# Altium PCB final_clock.PcbDoc (part 2 of 2) (continued)
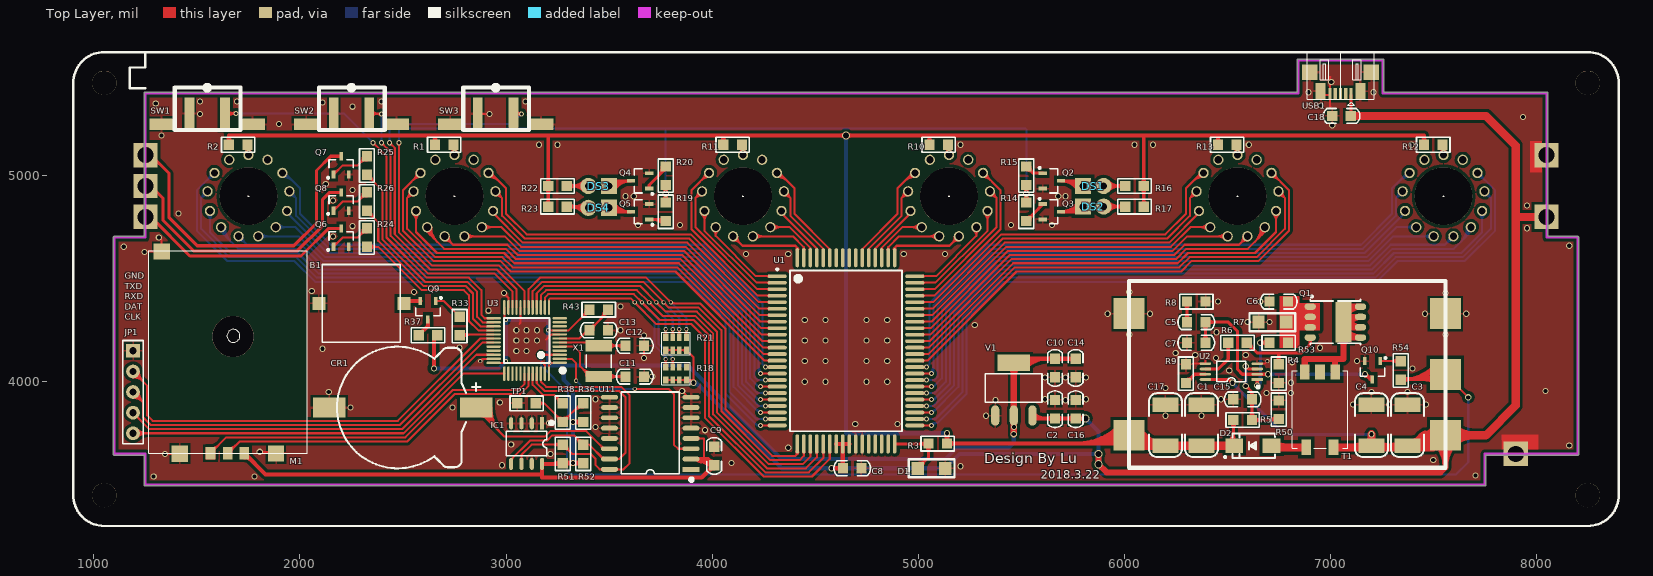
[diagram p0: Top Layer view]
## Nets (pads, with @x,y where several pads share a name; then routed paths per layer and width w, separated by ;. In a path a pad name is that pad's centre, name@x,y a point inside that pad or via, vN(x,y) a via of type N, cw(c..) or ccw(c..) an arc to the next point about the centre after c; other vN are vias at no path point) (continued)
OUT2-7: N2.9 U1.18 | length 3082.5
  Top Layer w10: v2(4235,3976.77) U1.18@4316.34,3976.77 ; v2@4240.3,3971.47 cw(c4253.11,3958.67) 4253.11,3976.77 cw(c4253.11,3994.88) v2@4240.3,3982.08 ; U1.18@4277.07,3971.96 ccw(c4265.45,3960.33) 4265.45,3976.77 ccw(c4265.45,3993.21) U1.18@4277.07,3981.59
  Bottom Layer w10: N2.9@1882.58,4750.26 1978.18,4750.26 2123.43,4605 3935.15,4605 4185,4355.15 4185,4016.72 4224.94,3976.77 v2(4235,3976.77) ; N2.9@1896.8,4736.18 cw(c1930.77,4702.21) 1930.77,4750.26 ; N2.9@1896.8,4764.47 ccw(c1931.11,4798.78) 1931.11,4750.26
OUT2-8: N2.10 U1.17 | length 3005.7
  Top Layer w10: v2(4258.74,4008.27) U1.17@4316.34,4008.27 ; v2@4264.04,4002.96 cw(c4276.85,3990.16) 4276.85,4008.27 cw(c4276.85,4026.37) v2@4264.04,4013.57 ; U1.17@4277.07,4003.45 ccw(c4265.45,3991.82) 4265.45,4008.27 ccw(c4265.45,4024.71) U1.17@4277.07,4013.08
  Bottom Layer w10: N2.10@1936.98,4829.01 1936.98,4819.74 2131.72,4625 3943.43,4625 4205,4363.43 4205,4025 4221.73,4008.27 v2(4258.74,4008.27) ; v2@4253.44,4002.96 ccw(c4240.63,3990.16) 4240.63,4008.27 ccw(c4240.63,4026.37) v2@4253.44,4013.57
OUT2-9: N2.11 U1.16 | length 3158.2
  Top Layer w10: v2(4235,4039.76) U1.16@4316.34,4039.76 ; v2@4240.3,4034.46 cw(c4253.11,4021.66) 4253.11,4039.76 cw(c4253.11,4057.87) v2@4240.3,4045.07 ; U1.16@4277.07,4034.95 ccw(c4265.45,4023.32) 4265.45,4039.76 ccw(c4265.45,4056.21) U1.16@4277.07,4044.58
  Bottom Layer w10: N2.11@1948.55,4924.03 1980,4892.58 ; N2.11@1949.66,4904.16 cw(c1951.89,4864.47) 1980,4892.58 ; N2.11@1968.5,4922.91 ccw(c2007.93,4920.51) 1980,4892.58 ; 4225,4057.87 ccw(c4253.11,4057.87) v2@4233.23,4038 ; 4225,4082.01 ccw(c4277.25,4082.01) v2@4240.3,4045.07 ; v2(4235,4039.76) 4225,4049.76 4225,4371.72 3951.72,4645 2141.72,4645 1981.72,4805 1980,4805 1980,4892.58
OUT2-10: N2.12 U1.15 | length 3237.9
  Top Layer w10: v2(4258.74,4071.26) U1.15@4316.34,4071.26 ; v2@4264.04,4065.96 cw(c4276.85,4053.15) 4276.85,4071.26 cw(c4276.85,4089.37) v2@4264.04,4076.56 ; U1.15@4277.07,4066.44 ccw(c4265.45,4054.82) 4265.45,4071.26 ccw(c4265.45,4087.7) U1.15@4277.07,4076.08
  Bottom Layer w10: N2.12@1914.59,4993.63 cw(c1914.59,4916.89) 1968.85,4971.15 ; N2.12@1914.59,5003.63 cw(c1914.59,4951.03) 1951.78,4988.22 ; N2.12@1914.65,5013.54 1926.46,5013.54 2000,4940 2000,4815 2150,4665 3960,4665 4245,4380 4245,4085 v2(4258.74,4071.26) ; N2.12@1934.59,5013.63 ccw(c1954.42,5013.63) 1940.4,4999.6 ; v2@4251.24,4071.26 ccw(c4233.13,4071.26) 4245.94,4084.06 ccw(c4258.74,4096.87) v2@4258.74,4078.76
OUT3-1: N3.3 U1.70 | length 642.2
  Top Layer w10: U1.70@4728.74,4601.77 4728.74,4643.74 4900,4815 4900,4940 4973.54,5013.54 N3.3@4985.35,5013.54 ; 4931.04,4971.04 cw(c4985.35,4916.74) N3.3@4985.35,4993.54 ; 4948.12,4988.12 cw(c4985.35,4950.88) N3.3@4985.35,5003.54 ; 4959.56,4999.56 ccw(c4945.59,5013.54) N3.3@4965.35,5013.54
OUT3-2: N3.4 U1.69 | length 468.1
  Top Layer w10: U1.69@4760.24,4601.77 4760.24,4645.24 4920,4805 4920,4892.58 ; N3.4@4931.48,4922.83 cw(c4892.11,4920.47) 4920,4892.58 ; N3.4@4950.25,4904.06 ccw(c4947.89,4864.69) 4920,4892.58 ; N3.4@4951.45,4924.03 4920,4892.58
OUT3-3: N3.5 U1.68 | length 298.2
  Top Layer w10: U1.68@4791.73,4601.77 4791.73,4646.73 4963.02,4818.02 N3.5@4963.02,4829.01
OUT3-4: N3.6 U1.67 | length 379
  Top Layer w10: U1.67@4819.11,4641.65 ccw(c4812.81,4649.94) 4823.23,4649.94 ; U1.67@4823.23,4601.77 4823.23,4649.94 ; U1.67@4827.35,4641.65 cw(c4833.65,4649.94) 4823.23,4649.94 ; N3.6@5003.28,4736.11 ccw(c4969.14,4701.97) 4969.14,4750.26 ccw(c4969.14,4798.54) N3.6@5003.28,4764.4 ; N3.6@5017.42,4750.26 4923.54,4750.26 4823.23,4649.94
OUT3-5: N3.7 U1.66 | length 422.3
  Top Layer w10: U1.66@4849.91,4641.04 ccw(c4838.28,4652.66) 4854.72,4652.66 ccw(c4871.17,4652.66) U1.66@4859.54,4641.04 ; U1.66@4854.72,4601.77 4854.72,4653.16 4907.37,4705.8 N3.7@5102.19,4705.8 ; N3.7@5088.05,4691.66 ccw(c5053.91,4657.51) 5053.91,4705.8 ccw(c5053.91,4754.08) N3.7@5088.05,4719.94
OUT3-6: N3.8 U1.65 | length 521.4
  Top Layer w10: U1.65@4881.74,4641.35 ccw(c4873.11,4651.22) 4886.22,4651.22 ; U1.65@4883.44,4634.66 cw(c4895.11,4641.19) 4885.65,4650.65 ; U1.65@4886.22,4601.77 4886.22,4651.22 ; U1.65@4890.7,4641.35 cw(c4899.33,4651.22) 4886.22,4651.22 ; U1.65@4892.16,4639.55 cw(c4907.1,4647.9) 4895,4660 ; N3.8@5177.91,4705.82 cw(c5129.63,4705.82) 5163.77,4671.68 cw(c5197.91,4637.54) N3.8@5197.91,4685.82 ; N3.8@5197.91,4705.82 5152.09,4660 4895,4660 ; 4886.22,4651.22 4895,4660
OUT3-7: N3.9 U1.64 | length 510.7
  Top Layer w10: U1.64@4983.66,4512.2 5087.2,4512.2 5282.65,4707.65 ; U1.64@5022.93,4507.39 cw(c5034.55,4495.76) 5034.55,4512.2 cw(c5034.55,4528.65) U1.64@5022.93,4517.02 ; N3.9@5269.86,4734.95 cw(c5247.14,4707.66) 5282.65,4707.66 ; N3.9@5282.65,4750.32 5282.65,4707.65 ; N3.9@5295.45,4734.95 ccw(c5318.17,4707.66) 5282.65,4707.66
OUT3-8: N3.10 U1.63 | length 655.2
  Top Layer w10: U1.63@4983.66,4480.71 5083.99,4480.71 5337.01,4733.73 N3.10@5337.01,4829.11 ; U1.63@5022.93,4475.89 cw(c5034.55,4464.27) 5034.55,4480.71 cw(c5034.55,4497.15) U1.63@5022.93,4485.52 ; N3.10@5322.87,4814.97 cw(c5288.73,4780.82) 5337.01,4780.82 cw(c5385.3,4780.82) N3.10@5351.16,4814.97
OUT3-9: N3.11 U1.62 | length 801.6
  Top Layer w10: U1.62@4983.66,4449.21 5080.78,4449.21 5380,4748.43 5380,4892.67 ; U1.62@5022.93,4444.4 cw(c5034.55,4432.77) 5034.55,4449.21 cw(c5034.55,4465.66) U1.62@5022.93,4454.03 ; N3.11@5348.54,4924.13 5380,4892.67 ; N3.11@5349.73,4904.17 cw(c5352.08,4864.75) 5380,4892.67 ; N3.11@5368.5,4922.94 ccw(c5407.92,4920.59) 5380,4892.67
OUT3-10: N3.12 U1.61 | length 981.9
  Top Layer w10: U1.61@4983.66,4417.72 5077.57,4417.72 5400,4740.15 5400,4929.24 5315.61,5013.63 N3.12@5314.59,5013.63 ; U1.61@5022.93,4412.9 cw(c5034.55,4401.27) 5034.55,4417.72 cw(c5034.55,4434.16) U1.61@5022.93,4422.53 ; N3.12@5314.59,4993.63 cw(c5314.59,4942.87) 5350.48,4978.76 ; N3.12@5314.59,5003.63 cw(c5314.59,4977.01) 5333.41,4995.83 ; N3.12@5334.59,5013.63 ccw(c5380.4,5013.63) 5348.01,4981.23
OUT4-1: N4.3 U1.4 | length 982
  Top Layer w10: 3949.42,4978.65 cw(c3985.35,4942.72) N4.3@3985.35,4993.54 ; 3951.95,4981.19 ccw(c3919.61,5013.54) N4.3@3965.35,5013.54 ; 3966.49,4995.73 cw(c3985.35,4976.86) N4.3@3985.35,5003.54 ; N4.3@3985.41,5013.63 3984.39,5013.63 3900,4929.24 3900,4740.15 4222.43,4417.72 U1.4@4316.34,4417.72 ; U1.4@4277.07,4412.9 ccw(c4265.45,4401.27) 4265.45,4417.72 ccw(c4265.45,4434.16) U1.4@4277.07,4422.53
OUT4-2: N4.4 U1.3 | length 801.4
  Top Layer w10: N4.4@3931.48,4922.86 cw(c3892.12,4920.55) 3920,4892.67 ; N4.4@3950.18,4904.07 ccw(c3947.7,4864.97) 3920,4892.67 ; N4.4@3951.46,4924.13 3920,4892.67 ; U1.3@4277.07,4444.4 ccw(c4265.45,4432.77) 4265.45,4449.21 ccw(c4265.45,4465.66) U1.3@4277.07,4454.03 ; U1.3@4316.34,4449.21 4219.22,4449.21 3920,4748.43 3920,4892.67
OUT4-3: N4.5 U1.2 | length 655.2
  Top Layer w10: N4.5@3948.88,4814.87 cw(c3914.83,4780.82) 3962.99,4780.82 ; 3962.99,4780.64 cw(c4011.4,4780.64) N4.5@3977.16,4814.87 ; N4.5@3962.99,4829.11 3962.99,4733.73 4216.01,4480.71 U1.2@4316.34,4480.71 ; U1.2@4277.07,4475.89 ccw(c4265.45,4464.27) 4265.45,4480.71 ccw(c4265.45,4497.15) U1.2@4277.07,4485.52
OUT4-4: N4.6 U1.1 | length 510.5
  Top Layer w10: N4.6@4004.6,4734.91 cw(c3981.84,4707.66) 4017.35,4707.66 ; N4.6@4017.35,4750.32 4017.35,4707.65 ; N4.6@4030.15,4734.83 ccw(c4052.57,4707.66) 4017.35,4707.66 ; U1.1@4277.07,4507.39 ccw(c4265.45,4495.76) 4265.45,4512.2 ccw(c4265.45,4528.65) U1.1@4277.07,4517.02 ; U1.1@4316.34,4512.2 4212.8,4512.2 4017.35,4707.65
OUT4-5: N4.7 U1.80 | length 521.4
  Top Layer w10: N4.7@4102.09,4705.82 4147.91,4660 4405,4660 ; N4.7@4102.19,4685.8 cw(c4102.19,4637.7) 4136.2,4671.71 ; N4.7@4122.19,4705.8 ccw(c4170.66,4705.8) 4136.39,4671.53 ; U1.80@4407.84,4639.55 ccw(c4392.9,4647.9) 4405,4660 ; U1.80@4409.3,4641.35 ccw(c4400.67,4651.22) 4413.78,4651.22 ; U1.80@4413.78,4601.77 4413.78,4651.22 ; 4414.35,4650.65 cw(c4404.89,4641.19) U1.80@4416.56,4634.66 ; U1.80@4418.26,4641.35 cw(c4426.89,4651.22) 4413.78,4651.22 ; 4405,4660 4413.78,4651.22
OUT4-6: N4.8 U1.79 | length 422.3
  Top Layer w10: N4.8@4197.81,4705.8 4392.63,4705.8 4445.28,4653.16 U1.79@4445.28,4601.77 ; N4.8@4212.05,4691.68 cw(c4246.13,4657.6) 4246.13,4705.8 ; N4.8@4212.05,4719.97 ccw(c4246.25,4754.17) 4246.25,4705.8 ; U1.79@4440.46,4641.04 ccw(c4428.83,4652.66) 4445.28,4652.66 ccw(c4461.72,4652.66) U1.79@4450.09,4641.04
OUT4-7: N4.9 U1.78 | length 379
  Top Layer w10: N4.9@4282.58,4750.26 4376.46,4750.26 4476.77,4649.94 ; N4.9@4296.8,4736.18 cw(c4330.77,4702.21) 4330.77,4750.26 ; N4.9@4296.8,4764.47 ccw(c4331.11,4798.78) 4331.11,4750.26 ; U1.78@4472.65,4641.65 ccw(c4466.35,4649.94) 4476.77,4649.94 ; U1.78@4476.77,4601.77 4476.77,4649.94 ; U1.78@4480.89,4641.65 cw(c4487.19,4649.94) 4476.77,4649.94
OUT4-8: N4.10 U1.77 | length 298.2
  Top Layer w10: N4.10@4336.98,4829.01 4336.98,4818.02 4508.27,4646.73 U1.77@4508.27,4601.77
OUT4-9: N4.11 U1.76 | length 468.3
  Top Layer w10: N4.11@4348.55,4924.03 4380,4892.58 ; N4.11@4349.66,4904.16 cw(c4351.89,4864.47) 4380,4892.58 ; N4.11@4368.5,4922.91 ccw(c4407.93,4920.51) 4380,4892.58 ; U1.76@4539.76,4601.77 4539.76,4645.24 4380,4805 4380,4892.58
OUT4-10: N4.12 U1.75 | length 642.1
  Top Layer w10: N4.12@4314.59,4993.63 cw(c4314.59,4916.89) 4368.85,4971.15 ; N4.12@4314.59,5003.63 cw(c4314.59,4951.03) 4351.78,4988.22 ; N4.12@4314.65,5013.54 4326.46,5013.54 4400,4940 4400,4815 4571.26,4643.74 U1.75@4571.26,4601.77 ; N4.12@4334.59,5013.63 ccw(c4354.42,5013.63) 4340.4,4999.6
OUT5-1: N5.3 U1.50 | length 3237.9
  Top Layer w10: U1.50@4983.66,4071.26 v2(5041.26,4071.26) ; U1.50@5022.93,4066.44 cw(c5034.55,4054.82) 5034.55,4071.26 cw(c5034.55,4087.7) U1.50@5022.93,4076.08 ; v2@5035.96,4065.96 ccw(c5023.15,4053.15) 5023.15,4071.26 ccw(c5023.15,4089.37) v2@5035.96,4076.56
  Bottom Layer w10: v2(5041.26,4071.26) 5055,4085 5055,4380 5340,4665 7150,4665 7300,4815 7300,4940 7373.54,5013.54 N5.3@7385.35,5013.54 ; v2@5041.26,4078.76 ccw(c5041.26,4096.87) 5054.06,4084.06 ccw(c5066.87,4071.26) v2@5048.76,4071.26 ; 7331.04,4971.04 cw(c7385.35,4916.74) N5.3@7385.35,4993.54 ; 7348.12,4988.12 cw(c7385.35,4950.88) N5.3@7385.35,5003.54 ; 7359.56,4999.56 ccw(c7345.59,5013.54) N5.3@7365.35,5013.54
OUT5-2: N5.4 U1.49 | length 3158
  Top Layer w10: U1.49@4983.66,4039.76 v2(5065,4039.76) ; U1.49@5022.93,4034.95 cw(c5034.55,4023.32) 5034.55,4039.76 cw(c5034.55,4056.21) U1.49@5022.93,4044.58 ; v2@5059.7,4034.46 ccw(c5046.89,4021.66) 5046.89,4039.76 ccw(c5046.89,4057.87) v2@5059.7,4045.07
  Bottom Layer w10: v2@5059.7,4045.07 ccw(c5022.75,4082.01) 5075,4082.01 ; v2(5065,4039.76) 5075,4049.76 5075,4371.72 5348.28,4645 7158.28,4645 7318.28,4805 7320,4805 7320,4892.58 ; v2@5066.77,4038 ccw(c5046.89,4057.87) 5075,4057.87 ; N5.4@7331.48,4922.83 cw(c7292.11,4920.47) 7320,4892.58 ; N5.4@7350.25,4904.06 ccw(c7347.89,4864.69) 7320,4892.58 ; N5.4@7351.45,4924.03 7320,4892.58
OUT5-3: N5.5 U1.48 | length 3005.7
  Top Layer w10: U1.48@4983.66,4008.27 v2(5041.26,4008.27) ; U1.48@5022.93,4003.45 cw(c5034.55,3991.82) 5034.55,4008.27 cw(c5034.55,4024.71) U1.48@5022.93,4013.08 ; v2@5035.96,4002.96 ccw(c5023.15,3990.16) 5023.15,4008.27 ccw(c5023.15,4026.37) v2@5035.96,4013.57
  Bottom Layer w10: v2(5041.26,4008.27) 5078.27,4008.27 5095,4025 5095,4363.43 5356.57,4625 7168.28,4625 7363.02,4819.74 N5.5@7363.02,4829.01 ; v2@5046.56,4002.96 cw(c5059.37,3990.16) 5059.37,4008.27 cw(c5059.37,4026.37) v2@5046.56,4013.57
OUT5-4: N5.6 U1.47 | length 3082.5
  Top Layer w10: U1.47@4983.66,3976.77 v2(5065,3976.77) ; U1.47@5022.93,3971.96 cw(c5034.55,3960.33) 5034.55,3976.77 cw(c5034.55,3993.21) U1.47@5022.93,3981.59 ; v2@5059.7,3971.47 ccw(c5046.89,3958.67) 5046.89,3976.77 ccw(c5046.89,3994.88) v2@5059.7,3982.08
  Bottom Layer w10: v2(5065,3976.77) 5075.06,3976.77 5115,4016.72 5115,4355.15 5364.85,4605 7176.57,4605 7321.82,4750.26 N5.6@7417.42,4750.26 ; N5.6@7403.28,4736.11 ccw(c7369.14,4701.97) 7369.14,4750.26 ccw(c7369.14,4798.54) N5.6@7403.28,4764.4
OUT5-5: N5.7 U1.46 | length 3195.3
  Top Layer w10: U1.46@4983.66,3945.28 v2(5041.26,3945.28) ; U1.46@5022.93,3940.46 cw(c5034.55,3928.83) 5034.55,3945.28 cw(c5034.55,3961.72) U1.46@5022.93,3950.09 ; v2@5035.96,3939.97 ccw(c5023.15,3927.17) 5023.15,3945.28 ccw(c5023.15,3963.38) v2@5035.96,3950.58
  Bottom Layer w10: v2(5041.26,3945.28) 5080.28,3945.28 5135,4000 5135,4346.86 5373.14,4585 7184.85,4585 7305.65,4705.8 N5.7@7502.19,4705.8 ; v2@5046.56,3939.97 cw(c5059.37,3927.17) 5059.37,3945.28 cw(c5059.37,3963.38) v2@5046.56,3950.58 ; N5.7@7488.05,4691.66 ccw(c7453.91,4657.51) 7453.91,4705.8 ccw(c7453.91,4754.08) N5.7@7488.05,4719.94
OUT5-6: N5.8 U1.45 | length 3275.6
  Top Layer w10: U1.45@4983.66,3913.78 v2(5065,3913.78) ; U1.45@5022.93,3908.96 cw(c5034.55,3897.34) 5034.55,3913.78 cw(c5034.55,3930.22) U1.45@5022.93,3918.6 ; v2@5059.7,3908.48 ccw(c5046.89,3895.67) 5046.89,3913.78 ccw(c5046.89,3931.89) v2@5059.7,3919.08
  Bottom Layer w10: v2(5065,3913.78) 5077.06,3913.78 5155,3991.72 5155,4338.58 5381.42,4565 7193.14,4565 7293.14,4665 7557.09,4665 N5.8@7597.91,4705.82 ; N5.8@7577.91,4705.82 cw(c7529.63,4705.82) 7563.77,4671.68 cw(c7597.91,4637.54) N5.8@7597.91,4685.82
OUT5-7: N5.9 U1.44 | length 3543.6
  Top Layer w10: U1.44@4983.66,3882.28 v2(5041.26,3882.28) ; U1.44@5022.93,3877.47 cw(c5034.55,3865.84) 5034.55,3882.28 cw(c5034.55,3898.73) U1.44@5022.93,3887.1 ; v2@5035.96,3876.98 ccw(c5023.15,3864.18) 5023.15,3882.28 ccw(c5023.15,3900.39) v2@5035.96,3887.59
  Bottom Layer w10: v2(5041.26,3882.28) 5073.85,3882.28 5175,3983.43 5175,4330.29 5389.71,4545 7201.42,4545 7301.42,4645 7600,4645 7682.65,4727.65 N5.9@7682.65,4750.32 cw(c7627.92,4750.32) 7666.62,4711.62 ; v2@5046.56,3876.98 cw(c5059.37,3864.18) 5059.37,3882.28 cw(c5059.37,3900.39) v2@5046.56,3887.59 ; 7632.48,4677.48 ccw(c7559.64,4750.32) N5.9@7662.65,4750.32 ; 7649.55,4694.55 ccw(c7593.78,4750.32) N5.9@7672.65,4750.32
OUT5-8: N5.10 U1.43 | length 3576.6
  Top Layer w10: U1.43@4983.66,3850.79 v2(5065,3850.79) ; U1.43@5022.93,3845.97 cw(c5034.55,3834.34) 5034.55,3850.79 cw(c5034.55,3867.23) U1.43@5022.93,3855.6 ; v2@5059.7,3845.48 ccw(c5046.89,3832.68) 5046.89,3850.79 ccw(c5046.89,3868.89) v2@5059.7,3856.09
  Bottom Layer w10: v2(5065,3850.79) 5070.64,3850.79 5195,3975.15 5195,4322.01 5397.99,4525 7209.71,4525 7309.71,4625 7635,4625 7737.01,4727.01 N5.10@7737.01,4829.11 ; v2@5065,3858.29 ccw(c5065,3890.01) 5087.43,3867.58 ; N5.10@7722.87,4814.97 cw(c7688.73,4780.82) 7737.01,4780.82 cw(c7785.3,4780.82) N5.10@7751.16,4814.97
OUT5-9: N5.11 U1.42 | length 3736.4
  Top Layer w10: U1.42@4983.66,3819.29 v2(5041.26,3819.29) ; U1.42@5022.93,3814.48 cw(c5034.55,3802.85) 5034.55,3819.29 cw(c5034.55,3835.73) U1.42@5022.93,3824.11 ; v2@5035.96,3813.99 ccw(c5023.15,3801.18) 5023.15,3819.29 ccw(c5023.15,3837.4) v2@5035.96,3824.59
  Bottom Layer w10: v2(5041.26,3819.29) 5084.29,3819.29 5215,3950 5215,4313.73 5406.27,4505 7217.99,4505 7317.99,4605 7643.28,4605 7780,4741.72 7780,4892.67 ; v2@5046.56,3813.99 cw(c5059.37,3801.18) 5059.37,3819.29 cw(c5059.37,3837.4) v2@5046.56,3824.59 ; N5.11@7748.54,4924.13 7780,4892.67 ; N5.11@7749.73,4904.17 cw(c7752.08,4864.75) 7780,4892.67 ; N5.11@7768.5,4922.94 ccw(c7807.92,4920.59) 7780,4892.67
OUT5-10: N5.12 U1.41 | length 3934.7
  Top Layer w10: U1.41@4983.66,3787.8 v2(5065,3787.8) ; U1.41@5022.93,3782.98 cw(c5034.55,3771.35) 5034.55,3787.8 cw(c5034.55,3804.24) U1.41@5022.93,3792.61 ; v2@5059.7,3782.49 ccw(c5046.89,3769.69) 5046.89,3787.8 ccw(c5046.89,3805.9) v2@5059.7,3793.1
  Bottom Layer w10: v2@5062.66,3788.69 cw(c5078.06,3782.82) 5078.06,3799.29 ; v2(5065,3787.8) 5076.5,3799.29 5092.58,3799.29 5235,3941.72 5235,4305.44 5414.56,4485 7226.27,4485 7326.27,4585 7651.57,4585 7800,4733.43 7800,4929.24 7715.61,5013.63 N5.12@7714.59,5013.63 ; v2@5072.01,3785.12 cw(c5092.57,3777.28) 5092.57,3799.29 ; N5.12@7714.59,4993.63 cw(c7714.59,4942.87) 7750.48,4978.76 ; N5.12@7714.59,5003.63 cw(c7714.59,4977.01) 7733.41,4995.83 ; N5.12@7734.59,5013.63 ccw(c7780.4,5013.63) 7748.01,4981.23
OUT6-1: N6.3 U1.60 | length 1877.8
  Top Layer w10: U1.60@4983.66,4386.22 5074.36,4386.22 5403.14,4715 6200,4715 6300,4815 6300,4940 6373.54,5013.54 N6.3@6385.35,5013.54 ; U1.60@5022.93,4381.4 cw(c5034.55,4369.78) 5034.55,4386.22 cw(c5034.55,4402.66) U1.60@5022.93,4391.04 ; 6331.04,4971.04 cw(c6385.35,4916.74) N6.3@6385.35,4993.54 ; 6348.12,4988.12 cw(c6385.35,4950.88) N6.3@6385.35,5003.54 ; 6359.56,4999.56 ccw(c6345.59,5013.54) N6.3@6365.35,5013.54
OUT6-2: N6.4 U1.59 | length 1747.4
  Top Layer w10: U1.59@4983.66,4354.72 5071.15,4354.72 5411.42,4695 6208.28,4695 6318.28,4805 6320,4805 6320,4892.58 ; U1.59@5022.93,4349.91 cw(c5034.55,4338.28) 5034.55,4354.72 cw(c5034.55,4371.17) U1.59@5022.93,4359.54 ; N6.4@6331.48,4922.83 cw(c6292.11,4920.47) 6320,4892.58 ; N6.4@6350.25,4904.06 ccw(c6347.89,4864.69) 6320,4892.58 ; N6.4@6351.45,4924.03 6320,4892.58
OUT6-3: N6.5 U1.58 | length 1620.1
  Top Layer w10: U1.58@4983.66,4323.23 5067.93,4323.23 5419.71,4675 6218.28,4675 6363.02,4819.74 N6.5@6363.02,4829.01 ; U1.58@5022.93,4318.41 cw(c5034.55,4306.79) 5034.55,4323.23 cw(c5034.55,4339.67) U1.58@5022.93,4328.04
OUT6-4: N6.6 U1.57 | length 1725.4
  Top Layer w10: U1.57@4983.66,4291.73 5064.72,4291.73 5427.99,4655 6226.57,4655 6321.82,4750.26 N6.6@6417.42,4750.26 ; U1.57@5022.93,4286.92 cw(c5034.55,4275.29) 5034.55,4291.73 cw(c5034.55,4308.18) U1.57@5022.93,4296.55 ; N6.6@6403.28,4736.11 ccw(c6369.14,4701.97) 6369.14,4750.26 ccw(c6369.14,4798.54) N6.6@6403.28,4764.4
OUT6-5: N6.7 U1.56 | length 1804.8
  Top Layer w10: U1.56@4983.66,4260.24 5061.51,4260.24 5436.27,4635 6234.85,4635 6305.65,4705.8 N6.7@6502.19,4705.8 ; U1.56@5022.93,4255.42 cw(c5034.55,4243.79) 5034.55,4260.24 cw(c5034.55,4276.68) U1.56@5022.93,4265.05 ; N6.7@6488.05,4691.66 ccw(c6453.91,4657.51) 6453.91,4705.8 ccw(c6453.91,4754.08) N6.7@6488.05,4719.94
OUT6-6: N6.8 U1.55 | length 1913.5
  Top Layer w10: U1.55@4983.66,4228.74 5058.3,4228.74 5444.56,4615 6243.14,4615 6293.14,4665 6557.09,4665 N6.8@6597.91,4705.82 ; U1.55@5022.93,4223.92 cw(c5034.55,4212.3) 5034.55,4228.74 cw(c5034.55,4245.18) U1.55@5022.93,4233.56 ; N6.8@6577.91,4705.82 cw(c6529.63,4705.82) 6563.77,4671.68 cw(c6597.91,4637.54) N6.8@6597.91,4685.82
OUT6-7: N6.9 U1.54 | length 2153
  Top Layer w10: U1.54@4983.66,4197.24 5055.09,4197.24 5452.84,4595 6251.42,4595 6301.42,4645 6600,4645 6682.65,4727.65 N6.9@6682.65,4750.32 cw(c6627.92,4750.32) 6666.62,4711.62 ; U1.54@5022.93,4192.43 cw(c5034.55,4180.8) 5034.55,4197.24 cw(c5034.55,4213.69) U1.54@5022.93,4202.06 ; 6632.48,4677.48 ccw(c6559.64,4750.32) N6.9@6662.65,4750.32 ; 6649.55,4694.55 ccw(c6593.78,4750.32) N6.9@6672.65,4750.32
OUT6-8: N6.10 U1.53 | length 2189.6
  Top Layer w10: U1.53@4983.66,4165.75 5051.87,4165.75 5461.13,4575 6259.71,4575 6309.71,4625 6635,4625 6737.01,4727.01 N6.10@6737.01,4829.11 ; U1.53@5022.93,4160.93 cw(c5034.55,4149.3) 5034.55,4165.75 cw(c5034.55,4182.19) U1.53@5022.93,4170.56 ; N6.10@6722.87,4814.97 cw(c6688.73,4780.82) 6737.01,4780.82 cw(c6785.3,4780.82) N6.10@6751.16,4814.97
OUT6-9: N6.11 U1.52 | length 2336
  Top Layer w10: U1.52@4983.66,4134.25 5048.66,4134.25 5469.41,4555 6267.99,4555 6317.99,4605 6643.28,4605 6780,4741.72 6780,4892.67 ; U1.52@5022.93,4129.44 cw(c5034.55,4117.81) 5034.55,4134.25 cw(c5034.55,4150.7) U1.52@5022.93,4139.07 ; N6.11@6748.54,4924.13 6780,4892.67 ; N6.11@6749.73,4904.17 cw(c6752.08,4864.75) 6780,4892.67 ; N6.11@6768.5,4922.94 ccw(c6807.92,4920.59) 6780,4892.67
OUT6-10: N6.12 U1.51 | length 2516.3
  Top Layer w10: U1.51@4983.66,4102.76 5045.45,4102.76 5477.69,4535 6276.27,4535 6326.27,4585 6651.57,4585 6800,4733.43 6800,4929.24 6715.61,5013.63 N6.12@6714.59,5013.63 ; U1.51@5022.93,4097.94 cw(c5034.55,4086.31) 5034.55,4102.76 cw(c5034.55,4119.2) U1.51@5022.93,4107.57 ; N6.12@6714.59,4993.63 cw(c6714.59,4942.87) 6750.48,4978.76 ; N6.12@6714.59,5003.63 cw(c6714.59,4977.01) 6733.41,4995.83 ; N6.12@6734.59,5013.63 ccw(c6780.4,5013.63) 6748.01,4981.23
RX0: M1.5 U3.43 | length 1753.1
  Top Layer w10: M1.5@1650,3653 1707,3710 2520,3710 2750,3940 3070,3940 3109.84,3979.84 U3.43@3109.84,4039.55 ; M1.5@1650,3667.53 ccw(c1650,3702.6) 1674.8,3677.8 ; M1.5@1650,3677.53 ccw(c1650,3736.74) 1691.87,3694.87 ; M1.5@1668.62,3658.91 cw(c1699.32,3658.91) 1677.61,3680.61
SCL: IC1.6 R51.2 U3.46 U11.16 | length 1717.5
  Top Layer w10: IC1.6@3071.58,3624.68 ccw(c3063.31,3632.95) 3075,3632.95 ccw(c3086.69,3632.95) IC1.6@3078.42,3624.68 ; IC1.6@3075,3601.57 3075,3645 3125,3695 R51.2@3275,3695 3320,3650 3410,3650 3435,3625 3435,3595 3455,3575 U11.16@3502.17,3575 3570,3575 3600,3605 3600,3935 3560,3975 3195,3975 3168.9,4001.1 U3.46@3168.9,4039.55 ; R51.2@3260.86,3680.86 ccw(c3226.72,3646.72) 3226.72,3695 ccw(c3226.72,3743.28) R51.2@3260.86,3709.14 ; R51.2@3275,3675 cw(c3275,3626.72) 3309.14,3660.86 cw(c3343.28,3695) R51.2@3295,3695 ; U11.16@3467.82,3570.18 ccw(c3456.19,3558.56) 3456.19,3575 ccw(c3456.19,3591.44) U11.16@3467.82,3579.82 ; U11.16@3536.51,3570.18 cw(c3548.14,3558.56) 3548.14,3575 cw(c3548.14,3591.44) U11.16@3536.51,3579.82
SDA: IC1.5 R52.2 U3.45 U11.15 | length 1625.5
  Top Layer w10: IC1.5@3025,3601.57 3025,3623.28 3116.72,3715 3200,3715 3225,3740 3330,3740 R52.2@3375,3695 3403.28,3695 ; IC1.5@3029.84,3621.26 cw(c3046.42,3621.26) 3034.7,3632.98 ; U3.45@3149.21,4039.55 3149.21,3993.41 3187.63,3955 3550,3955 3580,3925 3580,3655 3550,3625 U11.15@3502.17,3625 3473.28,3625 3403.28,3695 ; R52.2@3355,3695 ccw(c3306.72,3695) 3340.86,3729.14 ccw(c3375,3763.28) R52.2@3375,3715 ; R52.2@3393.86,3688.33 cw(c3403.28,3685) 3403.28,3695 ; R52.2@3393.86,3701.67 ccw(c3403.28,3705) 3403.28,3695 ; 3460.55,3637.73 cw(c3447.82,3625) U11.15@3465.83,3625 ; 3462.11,3636.17 ccw(c3472.64,3646.69) U11.15@3472.64,3631.81 ; U11.15@3536.51,3620.18 cw(c3548.14,3608.56) 3548.14,3625 cw(c3548.14,3641.44) U11.15@3536.51,3629.82
SWCLK: JP1.5 U3.37 | length 2099.6
  Top Layer w10: JP1.5@1190,3750 2503.43,3750 2792.98,4039.55 U3.37@2991.73,4039.55 ; JP1.5@1203.06,3736.94 cw(c1234.58,3705.42) 1234.58,3750 cw(c1234.58,3794.58) JP1.5@1203.06,3763.06 ; JP1.5@1210.13,3729.87 cw(c1258.72,3681.28) 1258.72,3750 cw(c1258.72,3818.72) JP1.5@1210.13,3770.13
SWDAT: JP1.4 U3.34 | length 1933.2
  Top Layer w10: JP1.4@1190,3850 1190,3848.43 1268.43,3770 2495,3770 2856.1,4131.1 U3.34@2939.55,4131.1
TX0: M1.4 U3.42 | length 1816.5
  Top Layer w10: M1.4@1566,3667.53 ccw(c1566,3702.6) 1590.8,3677.8 ; M1.4@1566,3677.53 ccw(c1566,3736.74) 1607.87,3694.87 ; M1.4@1571.14,3653 M1.4@1566,3653 1643,3730 2511.72,3730 2741.72,3960 3060,3960 3090.16,3990.16 U3.42@3090.16,4039.55 ; M1.4@1584.62,3658.91 cw(c1615.32,3658.91) 1593.61,3680.61
WP: U3.41
pads on no net: N1.2 N1.13 N2.2 N2.13 N3.2 N3.13 N4.2 N4.13 N5.2 N5.13 N6.2 N6.13 Q1.9 Q1.10 Q1.11 Q1.12 Q1.13 Q1.14 Q1.15 Q1.16 R18.5 R18.6 T1.NC U1.36 U1.37 U1.38 U1.39 U1.71 U1.72 U1.73 U1.74 U3.4 U3.10 U3.11 U3.12 U3.38 U3.39 U11.1 USB1.2 USB1.3 USB1.4

## Polygon pours and split planes (outlines as drawn)
GND on Bottom Layer "Top Layer-No Net" (solid, remove dead copper, pour order 4): 900,5600 900,3300 8400,3300 8400,5600
GND on Top Layer "Top Layer-No Net" (solid, remove dead copper, pour order 3): 900,5600 900,3300 8400,3300 8400,5600

## Keep-outs
Keep-Out Layer:
  lines w11.81: 1250,4850 1250,5250 ; 1250,5250 1250,4700 1100,4700 1100,3650 1250,3650 1250,3500 7750,3500 7750,3650 8200,3650 8200,4700 8050,4700 8050,5400 7255,5400 7255,5560 6845,5560 6845,5400 1250,5400 1250,5250

## Other copper
Top Layer:
  rectangle net GND: 7830.94,3671.31 8010,3745
  rectangle net GND: 7970,5015 8028.69,5169.06
  region net NetC6_1: 6850,4165 6850,4250 6950,4250 6950,4380 6850,4380 6850,4415 6755,4415 6755,4165
  pour cut-out: 1265,4635 1265,3810 2035,3810 2035,4635
Bottom Layer:
  rectangle net GND: 7970,5025 8028.69,5169.06
  rectangle net GND: 7830.94,3671.31 7990,3740
  pour cut-out: 1265,4635 1265,3810 2035,3810 2035,4635

## Silkscreen, mask and mechanical layers (free items; w line width, h text height)
Top Overlay:
  lines w1: 1747,4900 1753,4900 ; 1750,4897 1750,4903 ; 2747,4900 2753,4900 ; 2750,4897 2750,4903 ; 4147,4900 4153,4900 ; 4150,4897 4150,4903 ; 5147,4900 5153,4900 ; 5150,4897 5150,4903 ; 6547,4900 6553,4900 ; 6550,4897 6550,4903 ; 7547,4900 7553,4900 ; 7550,4897 7550,4903
  lines w11.81: 1250,5425 1175,5425 1175,5525 1250,5525 1250,5600 ; 900,3450 ccw(c1050,3450) 1050,3300 2450,3300 8250,3300 ccw(c8250,3450) 8400,3450 8400,5450 ccw(c8250,5450) 8250,5600 1050,5600 ccw(c1050,5450) 900,5450 900,3450
  lines w20: 6023.62,3582.68 7559.06,3582.68 7559.06,4488.19 6023.62,4488.19 6023.62,3582.68
  text "GND" at 1150,4500 h30
  text "TXD" at 1150,4450 h30
  text "RXD" at 1150,4400 h30
  text "DAT" at 1150,4350 h30
  text "CLK" at 1150,4300 h30
  text "Design By Lu" at 5320,3605 h50
  text "2018.3.22" at 5595,3530 h40